# KiCad board panel.kicad_pcb (continued)
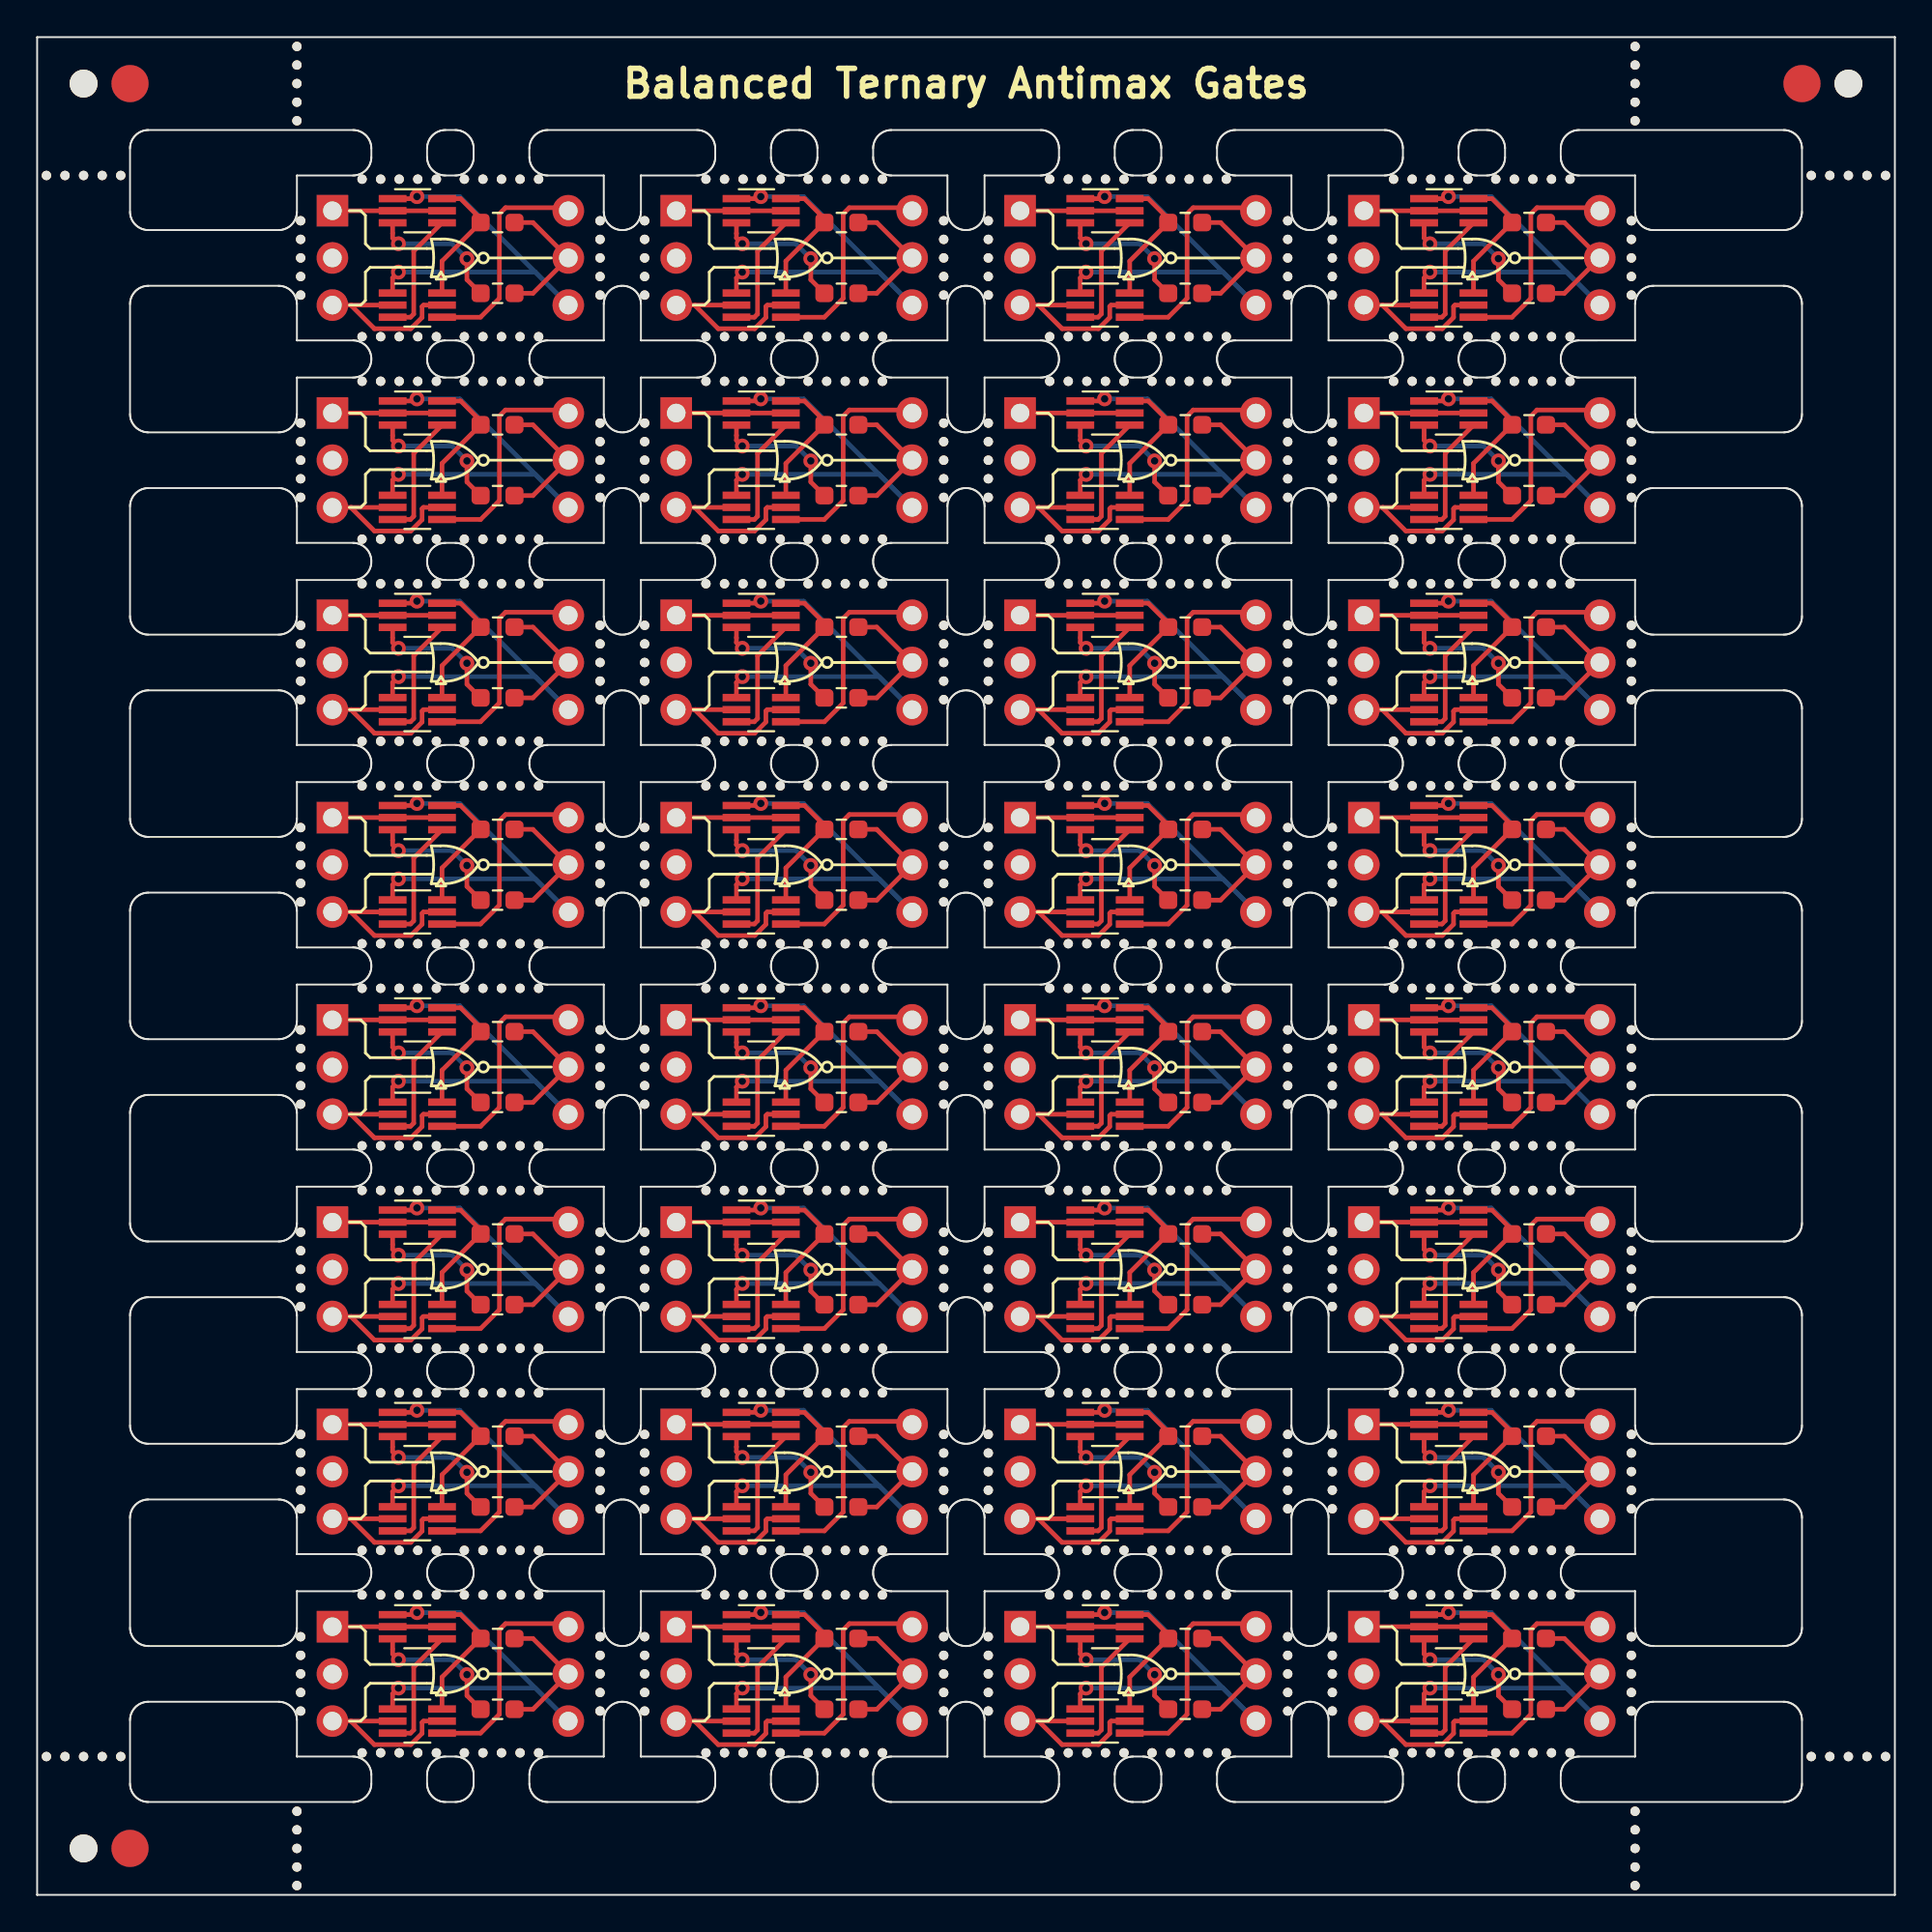
[diagram p0: board, top side]
## Placement (name value [footprint] x y rotation side) (continued)
REF**#885  -  [NPTH]  32.7 86.13 0 top
REF**#886  -  [NPTH]  48.8 57.46 0 top
REF**#887  -  [NPTH]  62.02 40.33 0 top
REF**#888  -  [NPTH]  17.49 7.65 0 top
REF**#889  -  [NPTH]  76.03 27.03 0 top
REF**#890  -  [NPTH]  37.01 83.89 0 top
REF**#891  -  [NPTH]  80.53 40.33 0 top
REF**#892  -  [NPTH]  27 27.03 0 top
REF**#893  -  [NPTH]  51.2 79.24 0 top
REF**#894  -  [NPTH]  69.72 86.13 0 top
REF**#895  -  [NPTH]  75.03 51.21 0 top
REF**#896  -  [NPTH]  57.51 92.37 0 top
REF**#897  -  [NPTH]  67.33 43.57 0 top
REF**#898  -  [NPTH]  69.72 10.9 0 top
REF**#899  -  [NPTH]  48.8 54.46 0 top
REF**#900  -  [NPTH]  14.18 68.35 0 top
REF**#901  -  [NPTH]  51.2 89.13 0 top
REF**#902  -  [NPTH]  61.02 59.71 0 top
REF**#903  -  [NPTH]  63.02 18.55 0 top
REF**#904  -  [NPTH]  57.51 70.59 0 top
REF**#905  -  [NPTH]  40.01 70.59 0 top
REF**#906  -  [NPTH]  51.2 20.79 0 top
REF**#907  -  [NPTH]  13.98 0.5 0 top
REF**#908  -  [NPTH]  23 16.15 0 top
REF**#909  -  [NPTH]  23 92.37 0 top
REF**#910  -  [NPTH]  86.03 98.51 0 top
REF**#911  -  [NPTH]  20.49 59.71 0 top
REF**#912  -  [NPTH]  14.18 54.46 0 top
REF**#913  -  [NPTH]  62.02 62.11 0 top
REF**#914  -  [NPTH]  77.03 70.59 0 top
REF**#915  -  [NPTH]  19.49 92.37 0 top
REF**#916  -  [NPTH]  85.83 42.57 0 top
REF**#917  -  [NPTH]  62.02 7.65 0 top
REF**#918  -  [NPTH]  69.72 22.79 0 top
REF**#919  -  [NPTH]  73.03 81.49 0 top
REF**#920  -  [NPTH]  24 62.11 0 top
REF**#921  -  [NPTH]  37.01 72.99 0 top
REF**#922  -  [NPTH]  57.51 48.81 0 top
REF**#923  -  [NPTH]  56.51 27.03 0 top
REF**#924  -  [NPTH]  32.7 87.13 0 top
REF**#925  -  [NPTH]  39.01 59.71 0 top
REF**#926  -  [NPTH]  67.33 66.35 0 top
REF**#927  -  [NPTH]  67.33 67.35 0 top
REF**#928  -  [NPTH]  75.03 81.49 0 top
REF**#929  -  [NPTH]  77.03 72.99 0 top
REF**#930  -  [NPTH]  13.98 99.51 0 top
REF**#931  -  [NPTH]  51.2 76.24 0 top
REF**#932  -  [NPTH]  69.72 42.57 0 top
REF**#933  -  [NPTH]  48.8 13.9 0 top
REF**#934  -  [NPTH]  32.7 9.9 0 top
REF**#935  -  [NPTH]  30.3 65.35 0 top
REF**#936  -  [NPTH]  86.03 3.5 0 top
REF**#937  -  [NPTH]  43.51 83.89 0 top
REF**#938  -  [NPTH]  48.8 78.24 0 top
REF**#939  -  [NPTH]  51.2 56.46 0 top
REF**#940  -  [NPTH]  27 62.11 0 top
REF**#941  -  [NPTH]  76.03 37.93 0 top
REF**#942  -  [NPTH]  41.51 48.81 0 top
REF**#943  -  [NPTH]  42.51 81.49 0 top
REF**#944  -  [NPTH]  41.51 62.11 0 top
REF**#945  -  [NPTH]  32.7 44.57 0 top
REF**#946  -  [NPTH]  69.72 44.57 0 top
REF**#947  -  [NPTH]  14.18 78.24 0 top
REF**#948  -  [NPTH]  82.53 51.21 0 top
REF**#949  -  [NPTH]  62.02 48.81 0 top
REF**#950  -  [NPTH]  4.5 92.57 0 top
REF**#951  -  [NPTH]  19.49 51.21 0 top
REF**#952  -  [NPTH]  67.33 55.46 0 top
REF**#953  -  [NPTH]  48.8 87.13 0 top
REF**#954  -  [NPTH]  67.33 86.13 0 top
REF**#955  -  [NPTH]  48.8 42.57 0 top
REF**#956  -  [NPTH]  48.8 64.35 0 top
REF**#957  -  [NPTH]  32.7 68.35 0 top
REF**#958  -  [NPTH]  30.3 76.24 0 top
REF**#959  -  [NPTH]  39.01 16.15 0 top
REF**#960  -  [NPTH]  17.49 18.55 0 top
REF**#961  -  [NPTH]  97.51 7.45 0 top
REF**#962  -  [NPTH]  75.03 72.99 0 top
REF**#963  -  [NPTH]  67.33 76.24 0 top
REF**#964  -  [NPTH]  62.02 81.49 0 top
REF**#965  -  [NPTH]  75.03 18.55 0 top
REF**#966  -  [NPTH]  85.83 57.46 0 top
REF**#967  -  [NPTH]  61.02 7.65 0 top
REF**#968  -  [NPTH]  63.02 70.59 0 top
REF**#969  -  [NPTH]  69.72 21.79 0 top
REF**#970  -  [NPTH]  30.3 12.9 0 top
REF**#971  -  [NPTH]  69.72 23.79 0 top
REF**#972  -  [NPTH]  19.49 18.55 0 top
REF**#973  -  [NPTH]  27 29.43 0 top
REF**#974  -  [NPTH]  63.02 83.89 0 top
REF**#975  -  [NPTH]  13.98 96.51 0 top
REF**#976  -  [NPTH]  76.03 70.59 0 top
REF**#977  -  [NPTH]  30.3 34.68 0 top
REF**#978  -  [NPTH]  45.51 83.89 0 top
REF**#979  -  [NPTH]  40.01 62.11 0 top
REF**#980  -  [NPTH]  19.49 16.15 0 top
REF**#981  -  [NPTH]  60.02 37.93 0 top
REF**#982  -  [NPTH]  43.51 59.71 0 top
REF**#983  -  [NPTH]  24 72.99 0 top
REF**#984  -  [NPTH]  75.03 83.89 0 top
REF**#985  -  [NPTH]  14.18 79.24 0 top
REF**#986  -  [NPTH]  48.8 11.9 0 top
REF**#987  -  [NPTH]  26 92.37 0 top
REF**#988  -  [NPTH]  55.51 18.55 0 top
REF**#989  -  [NPTH]  26 27.03 0 top
REF**#990  -  [NPTH]  54.51 72.99 0 top
REF**#991  -  [NPTH]  30.3 66.35 0 top
REF**#992  -  [NPTH]  38.01 16.15 0 top
REF**#993  -  [NPTH]  32.7 64.35 0 top
REF**#994  -  [NPTH]  30.3 78.24 0 top
REF**#995  -  [NPTH]  78.53 27.03 0 top
REF**#996  -  [NPTH]  57.51 29.43 0 top
REF**#997  -  [NPTH]  45.51 27.03 0 top
REF**#998  -  [NPTH]  14.18 65.35 0 top
REF**#999  -  [NPTH]  44.51 48.81 0 top
REF**#1000  -  [NPTH]  14.18 23.79 0 top
REF**#1001  -  [NPTH]  44.51 81.49 0 top
REF**#1002  -  [NPTH]  81.53 29.43 0 top
REF**#1003  -  [NPTH]  74.03 29.43 0 top
REF**#1004  -  [NPTH]  82.53 7.65 0 top
REF**#1005  -  [NPTH]  30.3 54.46 0 top
REF**#1006  -  [NPTH]  73.03 59.71 0 top
REF**#1007  -  [Fiducial]  95.01 97.51 0 bottom
REF**#1008  -  [Fiducial]  5 97.51 0 bottom
REF**#1009  -  [Fiducial]  5 2.5 0 bottom

## Library data of the parts
J1 J1#2-J1#32 J2 J2#2-J2#32 = -: Spice_Netlist_Enabled: N; Spice_Primitive: J
Q1 Q1#2-Q1#32 Q2 Q2#2-Q2#32 = -: Spice_Lib_File: /lab/dev/tritium/library/TritiumSpice.lib; Spice_Model: BSS8402DW; Spice_Netlist_Enabled: Y; Spice_Primitive: X

## Footprints (pads in the part's own frame, mm; a bottom-side part is the same pattern mirrored in y, then rotated)
Fiducial
  round 2 smd: (0,0)
NPTH
  round 0.5 hole 0.5 unplated: (0,0)
NPTH#2
  round 1.5 hole 1.5 unplated: (0,0)
PinHeader_1x03_P2.54mm_Vertical_NoSilkscreen
  round 1.7 hole 1: 1(0,0)
  oval 1.7x1.7 hole 1: 2(0,-2.54) 3(0,-5.08)
PinHeader_1x03_P2.54mm_Vertical_NoSilkscreen#2
  rect 1.7x1.7 hole 1: 1(0,0)
  oval 1.7x1.7 hole 1: 2(0,-2.54) 3(0,-5.08)
R_0603_1608Metric_Pad0.98x0.95mm_HandSolder
  rrect 0.975x0.95 smd: 1(-0.912,0) 2(0.912,0)
SOT-363_SC-70-6_Handsoldering
  rect 1.5x0.4 smd: 1(-1.33,0.65) 2(-1.33,0) 3(-1.33,-0.65) 4(1.33,-0.65) 5(1.33,0) 6(1.33,0.65)

## Nets
Board_0-A: J1#16.3 Q1#26.2 Q1#26.5
Board_0-B: J1#16.1 Q2#15.2 Q2#15.5
Board_0-Net-(Q1-Pad3): Q1#26.3 Q2#15.4
Board_0-Net-(Q1-Pad6): Q1#26.6 Q2#15.6 R2#16.2
Board_0-Net-(Q2-Pad3): Q2#15.3 R1#14.1
Board_0-Out: J2#25.2 R1#14.2 R2#16.1
Board_0-unconnected-(J1-Pad2): J1#16.2
Board_0-VDD: J2#25.1 Q1#26.4
Board_0-VSS: J2#25.3 Q1#26.1 Q2#15.1
Board_1-A: J1#7.3 Q1#3.2 Q1#3.5
Board_1-B: J1#7.1 Q2#12.2 Q2#12.5
Board_1-Net-(Q1-Pad3): Q1#3.3 Q2#12.4
Board_1-Net-(Q1-Pad6): Q1#3.6 Q2#12.6 R2#3.2
Board_1-Net-(Q2-Pad3): Q2#12.3 R1#23.1
Board_1-Out: J2#5.2 R1#23.2 R2#3.1
Board_1-unconnected-(J1-Pad2): J1#7.2
Board_1-VDD: J2#5.1 Q1#3.4
Board_1-VSS: J2#5.3 Q1#3.1 Q2#12.1
Board_2-A: J1#3.3 Q1#11.2 Q1#11.5
Board_2-B: J1#3.1 Q2#3.2 Q2#3.5
Board_2-Net-(Q1-Pad3): Q1#11.3 Q2#3.4
Board_2-Net-(Q1-Pad6): Q1#11.6 Q2#3.6 R2#22.2
Board_2-Net-(Q2-Pad3): Q2#3.3 R1#26.1
Board_2-Out: J2#31.2 R1#26.2 R2#22.1
Board_2-unconnected-(J1-Pad2): J1#3.2
Board_2-VDD: J2#31.1 Q1#11.4
Board_2-VSS: J2#31.3 Q1#11.1 Q2#3.1
Board_3-A: J1#28.3 Q1#25.2 Q1#25.5
Board_3-B: J1#28.1 Q2#16.2 Q2#16.5
Board_3-Net-(Q1-Pad3): Q1#25.3 Q2#16.4
Board_3-Net-(Q1-Pad6): Q1#25.6 Q2#16.6 R2#15.2
Board_3-Net-(Q2-Pad3): Q2#16.3 R1#13.1
Board_3-Out: J2#21.2 R1#13.2 R2#15.1
Board_3-unconnected-(J1-Pad2): J1#28.2
Board_3-VDD: J2#21.1 Q1#25.4
Board_3-VSS: J2#21.3 Q1#25.1 Q2#16.1
Board_4-A: J1#18.3 Q1#17.2 Q1#17.5
Board_4-B: J1#18.1 Q2#7.2 Q2#7.5
Board_4-Net-(Q1-Pad3): Q1#17.3 Q2#7.4
Board_4-Net-(Q1-Pad6): Q1#17.6 Q2#7.6 R2#24.2
Board_4-Net-(Q2-Pad3): Q2#7.3 R1#32.1
Board_4-Out: J2#4.2 R1#32.2 R2#24.1
Board_4-unconnected-(J1-Pad2): J1#18.2
Board_4-VDD: J2#4.1 Q1#17.4
Board_4-VSS: J2#4.3 Q1#17.1 Q2#7.1
Board_5-A: J1#25.3 Q1#6.2 Q1#6.5
Board_5-B: J1#25.1 Q2#10.2 Q2#10.5
Board_5-Net-(Q1-Pad3): Q1#6.3 Q2#10.4
Board_5-Net-(Q1-Pad6): Q1#6.6 Q2#10.6 R2#10.2
Board_5-Net-(Q2-Pad3): Q2#10.3 R1#12.1
Board_5-Out: J2#7.2 R1#12.2 R2#10.1
Board_5-unconnected-(J1-Pad2): J1#25.2
Board_5-VDD: J2#7.1 Q1#6.4
Board_5-VSS: J2#7.3 Q1#6.1 Q2#10.1
Board_6-A: J1#32.3 Q1#28.2 Q1#28.5
Board_6-B: J1#32.1 Q2#18.2 Q2#18.5
Board_6-Net-(Q1-Pad3): Q1#28.3 Q2#18.4
Board_6-Net-(Q1-Pad6): Q1#28.6 Q2#18.6 R2#25.2
Board_6-Net-(Q2-Pad3): Q2#18.3 R1#9.1
Board_6-Out: J2#30.2 R1#9.2 R2#25.1
Board_6-unconnected-(J1-Pad2): J1#32.2
Board_6-VDD: J2#30.1 Q1#28.4
Board_6-VSS: J2#30.3 Q1#28.1 Q2#18.1
Board_7-A: J1#30.3 Q1#29.2 Q1#29.5
Board_7-B: J1#30.1 Q2#13.2 Q2#13.5
Board_7-Net-(Q1-Pad3): Q1#29.3 Q2#13.4
Board_7-Net-(Q1-Pad6): Q1#29.6 Q2#13.6 R2#18.2
Board_7-Net-(Q2-Pad3): Q2#13.3 R1#20.1
Board_7-Out: J2#2.2 R1#20.2 R2#18.1
Board_7-unconnected-(J1-Pad2): J1#30.2
Board_7-VDD: J2#2.1 Q1#29.4
Board_7-VSS: J2#2.3 Q1#29.1 Q2#13.1
Board_8-A: J1#31.3 Q1#32.2 Q1#32.5
Board_8-B: J1#31.1 Q2#6.2 Q2#6.5
Board_8-Net-(Q1-Pad3): Q1#32.3 Q2#6.4
Board_8-Net-(Q1-Pad6): Q1#32.6 Q2#6.6 R2#19.2
Board_8-Net-(Q2-Pad3): Q2#6.3 R1#22.1
Board_8-Out: J2#12.2 R1#22.2 R2#19.1
Board_8-unconnected-(J1-Pad2): J1#31.2
Board_8-VDD: J2#12.1 Q1#32.4
Board_8-VSS: J2#12.3 Q1#32.1 Q2#6.1
Board_9-A: J1#19.3 Q1#23.2 Q1#23.5
Board_9-B: J1#19.1 Q2#25.2 Q2#25.5
Board_9-Net-(Q1-Pad3): Q1#23.3 Q2#25.4
Board_9-Net-(Q1-Pad6): Q1#23.6 Q2#25.6 R2#2.2
Board_9-Net-(Q2-Pad3): Q2#25.3 R1#24.1
Board_9-Out: J2#9.2 R1#24.2 R2#2.1
Board_9-unconnected-(J1-Pad2): J1#19.2
Board_9-VDD: J2#9.1 Q1#23.4
Board_9-VSS: J2#9.3 Q1#23.1 Q2#25.1
Board_10-A: J1#26.3 Q1#2.2 Q1#2.5
Board_10-B: J1#26.1 Q2#4.2 Q2#4.5
Board_10-Net-(Q1-Pad3): Q1#2.3 Q2#4.4
Board_10-Net-(Q1-Pad6): Q1#2.6 Q2#4.6 R2#32.2
Board_10-Net-(Q2-Pad3): Q2#4.3 R1#11.1
Board_10-Out: J2#24.2 R1#11.2 R2#32.1
Board_10-unconnected-(J1-Pad2): J1#26.2
Board_10-VDD: J2#24.1 Q1#2.4
Board_10-VSS: J2#24.3 Q1#2.1 Q2#4.1
Board_11-A: J1.3 Q1#31.2 Q1#31.5
Board_11-B: J1.1 Q2#17.2 Q2#17.5
Board_11-Net-(Q1-Pad3): Q1#31.3 Q2#17.4
Board_11-Net-(Q1-Pad6): Q1#31.6 Q2#17.6 R2#21.2
Board_11-Net-(Q2-Pad3): Q2#17.3 R1#29.1
Board_11-Out: J2#28.2 R1#29.2 R2#21.1
Board_11-unconnected-(J1-Pad2): J1.2
Board_11-VDD: J2#28.1 Q1#31.4
Board_11-VSS: J2#28.3 Q1#31.1 Q2#17.1
Board_12-A: J1#27.3 Q1#8.2 Q1#8.5
Board_12-B: J1#27.1 Q2#21.2 Q2#21.5
Board_12-Net-(Q1-Pad3): Q1#8.3 Q2#21.4
Board_12-Net-(Q1-Pad6): Q1#8.6 Q2#21.6 R2#11.2
Board_12-Net-(Q2-Pad3): Q2#21.3 R1#16.1
Board_12-Out: J2#13.2 R1#16.2 R2#11.1
Board_12-unconnected-(J1-Pad2): J1#27.2
Board_12-VDD: J2#13.1 Q1#8.4
Board_12-VSS: J2#13.3 Q1#8.1 Q2#21.1
Board_13-A: J1#20.3 Q1#7.2 Q1#7.5
Board_13-B: J1#20.1 Q2#28.2 Q2#28.5
Board_13-Net-(Q1-Pad3): Q1#7.3 Q2#28.4
Board_13-Net-(Q1-Pad6): Q1#7.6 Q2#28.6 R2#5.2
Board_13-Net-(Q2-Pad3): Q2#28.3 R1#27.1
Board_13-Out: J2#11.2 R1#27.2 R2#5.1
Board_13-unconnected-(J1-Pad2): J1#20.2
Board_13-VDD: J2#11.1 Q1#7.4
Board_13-VSS: J2#11.3 Q1#7.1 Q2#28.1
Board_14-A: J1#11.3 Q1#12.2 Q1#12.5
Board_14-B: J1#11.1 Q2#8.2 Q2#8.5
Board_14-Net-(Q1-Pad3): Q1#12.3 Q2#8.4
Board_14-Net-(Q1-Pad6): Q1#12.6 Q2#8.6 R2#28.2
Board_14-Net-(Q2-Pad3): Q2#8.3 R1#17.1
Board_14-Out: J2#32.2 R1#17.2 R2#28.1
Board_14-unconnected-(J1-Pad2): J1#11.2
Board_14-VDD: J2#32.1 Q1#12.4
Board_14-VSS: J2#32.3 Q1#12.1 Q2#8.1
Board_15-A: J1#10.3 Q1#21.2 Q1#21.5
Board_15-B: J1#10.1 Q2#22.2 Q2#22.5
Board_15-Net-(Q1-Pad3): Q1#21.3 Q2#22.4
Board_15-Net-(Q1-Pad6): Q1#21.6 Q2#22.6 R2#30.2
Board_15-Net-(Q2-Pad3): Q2#22.3 R1#30.1
Board_15-Out: J2#29.2 R1#30.2 R2#30.1
Board_15-unconnected-(J1-Pad2): J1#10.2
Board_15-VDD: J2#29.1 Q1#21.4
Board_15-VSS: J2#29.3 Q1#21.1 Q2#22.1
Board_16-A: J1#15.3 Q1.2 Q1.5
Board_16-B: J1#15.1 Q2#27.2 Q2#27.5
Board_16-Net-(Q1-Pad3): Q1.3 Q2#27.4
Board_16-Net-(Q1-Pad6): Q1.6 Q2#27.6 R2#13.2
Board_16-Net-(Q2-Pad3): Q2#27.3 R1#10.1
Board_16-Out: J2#17.2 R1#10.2 R2#13.1
Board_16-unconnected-(J1-Pad2): J1#15.2
Board_16-VDD: J2#17.1 Q1.4
Board_16-VSS: J2#17.3 Q1.1 Q2#27.1
Board_17-A: J1#14.3 Q1#10.2 Q1#10.5
Board_17-B: J1#14.1 Q2#5.2 Q2#5.5
Board_17-Net-(Q1-Pad3): Q1#10.3 Q2#5.4
Board_17-Net-(Q1-Pad6): Q1#10.6 Q2#5.6 R2#31.2
Board_17-Net-(Q2-Pad3): Q2#5.3 R1#15.1
Board_17-Out: J2#10.2 R1#15.2 R2#31.1
Board_17-unconnected-(J1-Pad2): J1#14.2
Board_17-VDD: J2#10.1 Q1#10.4
Board_17-VSS: J2#10.3 Q1#10.1 Q2#5.1
Board_18-A: J1#23.3 Q1#13.2 Q1#13.5
Board_18-B: J1#23.1 Q2#20.2 Q2#20.5
Board_18-Net-(Q1-Pad3): Q1#13.3 Q2#20.4
Board_18-Net-(Q1-Pad6): Q1#13.6 Q2#20.6 R2#27.2
Board_18-Net-(Q2-Pad3): Q2#20.3 R1.1
Board_18-Out: J2#3.2 R1.2 R2#27.1
Board_18-unconnected-(J1-Pad2): J1#23.2
Board_18-VDD: J2#3.1 Q1#13.4
Board_18-VSS: J2#3.3 Q1#13.1 Q2#20.1
Board_19-A: J1#6.3 Q1#27.2 Q1#27.5
Board_19-B: J1#6.1 Q2#19.2 Q2#19.5
Board_19-Net-(Q1-Pad3): Q1#27.3 Q2#19.4
Board_19-Net-(Q1-Pad6): Q1#27.6 Q2#19.6 R2#23.2
Board_19-Net-(Q2-Pad3): Q2#19.3 R1#2.1
Board_19-Out: J2#20.2 R1#2.2 R2#23.1
Board_19-unconnected-(J1-Pad2): J1#6.2
Board_19-VDD: J2#20.1 Q1#27.4
Board_19-VSS: J2#20.3 Q1#27.1 Q2#19.1
Board_20-A: J1#21.3 Q1#5.2 Q1#5.5
Board_20-B: J1#21.1 Q2#23.2 Q2#23.5
Board_20-Net-(Q1-Pad3): Q1#5.3 Q2#23.4
Board_20-Net-(Q1-Pad6): Q1#5.6 Q2#23.6 R2.2
Board_20-Net-(Q2-Pad3): Q2#23.3 R1#28.1
Board_20-Out: J2#18.2 R1#28.2 R2.1
Board_20-unconnected-(J1-Pad2): J1#21.2
Board_20-VDD: J2#18.1 Q1#5.4
Board_20-VSS: J2#18.3 Q1#5.1 Q2#23.1
Board_21-A: J1#22.3 Q1#24.2 Q1#24.5
Board_21-B: J1#22.1 Q2#29.2 Q2#29.5
Board_21-Net-(Q1-Pad3): Q1#24.3 Q2#29.4
Board_21-Net-(Q1-Pad6): Q1#24.6 Q2#29.6 R2#12.2
Board_21-Net-(Q2-Pad3): Q2#29.3 R1#21.1
Board_21-Out: J2#22.2 R1#21.2 R2#12.1
Board_21-unconnected-(J1-Pad2): J1#22.2
Board_21-VDD: J2#22.1 Q1#24.4
Board_21-VSS: J2#22.3 Q1#24.1 Q2#29.1
Board_22-A: J1#24.3 Q1#20.2 Q1#20.5
Board_22-B: J1#24.1 Q2#31.2 Q2#31.5
Board_22-Net-(Q1-Pad3): Q1#20.3 Q2#31.4
Board_22-Net-(Q1-Pad6): Q1#20.6 Q2#31.6 R2#8.2
Board_22-Net-(Q2-Pad3): Q2#31.3 R1#18.1
Board_22-Out: J2#16.2 R1#18.2 R2#8.1
Board_22-unconnected-(J1-Pad2): J1#24.2
Board_22-VDD: J2#16.1 Q1#20.4
Board_22-VSS: J2#16.3 Q1#20.1 Q2#31.1
Board_23-A: J1#17.3 Q1#15.2 Q1#15.5
Board_23-B: J1#17.1 Q2#24.2 Q2#24.5
Board_23-Net-(Q1-Pad3): Q1#15.3 Q2#24.4
Board_23-Net-(Q1-Pad6): Q1#15.6 Q2#24.6 R2#17.2
Board_23-Net-(Q2-Pad3): Q2#24.3 R1#25.1
Board_23-Out: J2#14.2 R1#25.2 R2#17.1
Board_23-unconnected-(J1-Pad2): J1#17.2
Board_23-VDD: J2#14.1 Q1#15.4
Board_23-VSS: J2#14.3 Q1#15.1 Q2#24.1
Board_24-A: J1#2.3 Q1#14.2 Q1#14.5
Board_24-B: J1#2.1 Q2#9.2 Q2#9.5
Board_24-Net-(Q1-Pad3): Q1#14.3 Q2#9.4
Board_24-Net-(Q1-Pad6): Q1#14.6 Q2#9.6 R2#7.2
Board_24-Net-(Q2-Pad3): Q2#9.3 R1#3.1
Board_24-Out: J2#26.2 R1#3.2 R2#7.1
Board_24-unconnected-(J1-Pad2): J1#2.2
Board_24-VDD: J2#26.1 Q1#14.4
Board_24-VSS: J2#26.3 Q1#14.1 Q2#9.1
Board_25-A: J1#12.3 Q1#16.2 Q1#16.5
Board_25-B: J1#12.1 Q2#30.2 Q2#30.5
Board_25-Net-(Q1-Pad3): Q1#16.3 Q2#30.4
Board_25-Net-(Q1-Pad6): Q1#16.6 Q2#30.6 R2#4.2
Board_25-Net-(Q2-Pad3): Q2#30.3 R1#6.1
Board_25-Out: J2#6.2 R1#6.2 R2#4.1
Board_25-unconnected-(J1-Pad2): J1#12.2
Board_25-VDD: J2#6.1 Q1#16.4
Board_25-VSS: J2#6.3 Q1#16.1 Q2#30.1
Board_26-A: J1#4.3 Q1#4.2 Q1#4.5
Board_26-B: J1#4.1 Q2#32.2 Q2#32.5
Board_26-Net-(Q1-Pad3): Q1#4.3 Q2#32.4
Board_26-Net-(Q1-Pad6): Q1#4.6 Q2#32.6 R2#26.2
Board_26-Net-(Q2-Pad3): Q2#32.3 R1#7.1
Board_26-Out: J2#15.2 R1#7.2 R2#26.1
Board_26-unconnected-(J1-Pad2): J1#4.2
Board_26-VDD: J2#15.1 Q1#4.4
Board_26-VSS: J2#15.3 Q1#4.1 Q2#32.1
Board_27-A: J1#5.3 Q1#30.2 Q1#30.5
Board_27-B: J1#5.1 Q2#26.2 Q2#26.5
Board_27-Net-(Q1-Pad3): Q1#30.3 Q2#26.4
Board_27-Net-(Q1-Pad6): Q1#30.6 Q2#26.6 R2#6.2
Board_27-Net-(Q2-Pad3): Q2#26.3 R1#4.1
Board_27-Out: J2#27.2 R1#4.2 R2#6.1
Board_27-unconnected-(J1-Pad2): J1#5.2
Board_27-VDD: J2#27.1 Q1#30.4
Board_27-VSS: J2#27.3 Q1#30.1 Q2#26.1
Board_28-A: J1#13.3 Q1#19.2 Q1#19.5
Board_28-B: J1#13.1 Q2#2.2 Q2#2.5
Board_28-Net-(Q1-Pad3): Q1#19.3 Q2#2.4
Board_28-Net-(Q1-Pad6): Q1#19.6 Q2#2.6 R2#9.2
Board_28-Net-(Q2-Pad3): Q2#2.3 R1#19.1
Board_28-Out: J2.2 R1#19.2 R2#9.1
Board_28-unconnected-(J1-Pad2): J1#13.2
Board_28-VDD: J2.1 Q1#19.4
Board_28-VSS: J2.3 Q1#19.1 Q2#2.1
Board_29-A: J1#29.3 Q1#18.2 Q1#18.5
Board_29-B: J1#29.1 Q2.2 Q2.5
Board_29-Net-(Q1-Pad3): Q1#18.3 Q2.4
Board_29-Net-(Q1-Pad6): Q1#18.6 Q2.6 R2#14.2
Board_29-Net-(Q2-Pad3): Q2.3 R1#8.1
Board_29-Out: J2#23.2 R1#8.2 R2#14.1
Board_29-unconnected-(J1-Pad2): J1#29.2
Board_29-VDD: J2#23.1 Q1#18.4
Board_29-VSS: J2#23.3 Q1#18.1 Q2.1
Board_30-A: J1#9.3 Q1#9.2 Q1#9.5
Board_30-B: J1#9.1 Q2#14.2 Q2#14.5
Board_30-Net-(Q1-Pad3): Q1#9.3 Q2#14.4
Board_30-Net-(Q1-Pad6): Q1#9.6 Q2#14.6 R2#29.2
Board_30-Net-(Q2-Pad3): Q2#14.3 R1#5.1
Board_30-Out: J2#8.2 R1#5.2 R2#29.1
Board_30-unconnected-(J1-Pad2): J1#9.2
Board_30-VDD: J2#8.1 Q1#9.4
Board_30-VSS: J2#8.3 Q1#9.1 Q2#14.1
Board_31-A: J1#8.3 Q1#22.2 Q1#22.5
Board_31-B: J1#8.1 Q2#11.2 Q2#11.5
Board_31-Net-(Q1-Pad3): Q1#22.3 Q2#11.4
Board_31-Net-(Q1-Pad6): Q1#22.6 Q2#11.6 R2#20.2
Board_31-Net-(Q2-Pad3): Q2#11.3 R1#31.1
Board_31-Out: J2#19.2 R1#31.2 R2#20.1
Board_31-unconnected-(J1-Pad2): J1#8.2
Board_31-VDD: J2#19.1 Q1#22.4
Board_31-VSS: J2#19.3 Q1#22.1 Q2#11.1

## Via types
v1: diameter 0.8, hole 0.4, Top to Bottom, 128 vias

## Routing (per net, layer and track width the routed paths; a pad name or vN(x,y) marks a point on that pad's centre or on a via; arc(x,y) is an arc through that point)
Board_0-A: length 9.5
  Top w0.25: Q1#26.2 16.91,85.59 ; 16.91,85.59 16.91,85.56 18.16,84.32 20.12,84.32 20.72,84.92 20.72,85.51 20.8,85.59 Q1#26.5 ; 16.91,85.59 J1#16.3
Board_0-B: length 5.9
  Top w0.25: J1#16.1 Q2#15.2 Q2#15.5
Board_0-Net-(Q1-Pad3): length 6.7
  Top w0.25: Q1#26.3 20.1,84.94 20.27,85.11 20.27,88.49 Q2#15.4
Board_0-Net-(Q1-Pad6): length 7.4
  Top w0.25: Q1#26.6 21.8,87.96 R2#16.2 23.87,90.24 22.8,91.32 Q2#15.6
Board_0-Net-(Q2-Pad3): length 7.4
  Top w0.25: R1#14.1 23.14,86.96 v1(23.14,88.09) ; Q2#15.3 19.14,89.2 v1(19.45,88.89)
  Bottom w0.25: v1(19.45,88.89) 22.34,88.89 v1(23.14,88.09)
Board_0-Out: length 7.4
  Top w0.25: R2#16.1 26.69,90.03 J2#25.2 26.69,86.22 R1#14.2
Board_0-VDD: length 12
  Top w0.25: J2#25.1 28.43,90.83 25.21,90.83 24.88,90.5 24.88,85.95 23.87,84.94 Q1#26.4
Board_0-VSS: length 23.1
  Top w0.25: Q1#26.1 19.14,87.05 v1(19.45,87.36) ; Q2#15.1 20.34,91.32 v1(20.45,91.43)
  Bottom w0.25: v1(20.45,91.43) 22.75,91.43 J2#25.3 26.82,87.36 v1(19.45,87.36)
Board_1-A: length 9.5
  Top w0.25: 35.42,85.59 J1#7.3 ; 35.42,85.59 Q1#3.2 ; 35.42,85.59 35.42,85.56 36.67,84.32 38.63,84.32 39.23,84.92 39.23,85.51 39.31,85.59 40.31,85.59
Board_1-B: length 5.9
  Top w0.25: 40.31,90.67 Q2#12.2 J1#7.1
Board_1-Net-(Q1-Pad3): length 6.7
  Top w0.25: Q1#3.3 38.61,84.94 38.78,85.11 38.78,88.49 40.31,90.02
Board_1-Net-(Q1-Pad6): length 7.4
  Top w0.25: 40.31,86.24 40.31,87.96 R2#3.2 42.38,90.24 41.31,91.32 40.31,91.32
Board_1-Net-(Q2-Pad3): length 7.4
  Top w0.25: R1#23.1 41.65,86.96 v1(41.65,88.09) ; Q2#12.3 37.65,89.2 v1(37.96,88.89)
  Bottom w0.25: v1(41.65,88.09) 40.85,88.89 v1(37.96,88.89)
Board_1-Out: length 7.4
  Top w0.25: R2#3.1 45.2,90.03 J2#5.2 45.2,86.22 R1#23.2
Board_1-VDD: length 12
  Top w0.25: 40.31,84.94 42.38,84.94 43.4,85.95 43.4,90.5 43.72,90.83 46.94,90.83 J2#5.1
Board_1-VSS: length 23.1
  Top w0.25: v1(37.96,87.36) 37.65,87.05 Q1#3.1 ; v1(38.96,91.43) 38.85,91.32 Q2#12.1
  Bottom w0.25: v1(38.96,91.43) 41.26,91.43 J2#5.3 45.33,87.36 v1(37.96,87.36)
Board_2-A: length 9.5
  Top w0.25: 53.93,85.59 53.93,85.56 55.18,84.32 57.14,84.32 57.74,84.92 57.74,85.51 57.82,85.59 Q1#11.5 ; 53.93,85.59 J1#3.3 ; 53.93,85.59 Q1#11.2
Board_2-B: length 5.9
  Top w0.25: Q2#3.5 Q2#3.2 J1#3.1
Board_2-Net-(Q1-Pad3): length 6.7
  Top w0.25: Q1#11.3 57.12,84.94 57.29,85.11 57.29,88.49 Q2#3.4
Board_2-Net-(Q1-Pad6): length 7.4
  Top w0.25: Q2#3.6 59.82,91.32 60.89,90.24 R2#22.2 58.82,87.96 Q1#11.6
Board_2-Net-(Q2-Pad3): length 7.4
  Top w0.25: R1#26.1 60.16,86.96 v1(60.16,88.09) ; v1(56.47,88.89) 56.16,89.2 Q2#3.3
  Bottom w0.25: v1(56.47,88.89) 59.36,88.89 v1(60.16,88.09)
Board_2-Out: length 7.4
  Top w0.25: R1#26.2 63.71,86.22 J2#31.2 63.71,90.03 R2#22.1
Board_2-VDD: length 12
  Top w0.25: J2#31.1 65.45,90.83 62.23,90.83 61.91,90.5 61.91,85.95 60.89,84.94 Q1#11.4
Board_2-VSS: length 23.1
  Top w0.25: Q2#3.1 57.36,91.32 v1(57.47,91.43) ; v1(56.47,87.36) 56.16,87.05 Q1#11.1
  Bottom w0.25: v1(57.47,91.43) 59.77,91.43 J2#31.3 63.84,87.36 v1(56.47,87.36)
Board_3-A: length 9.5
  Top w0.25: 72.44,85.59 J1#28.3 ; 72.44,85.59 Q1#25.2 ; 72.44,85.59 72.44,85.56 73.69,84.32 75.65,84.32 76.25,84.92 76.25,85.51 76.33,85.59 Q1#25.5
Board_3-B: length 5.9
  Top w0.25: Q2#16.5 Q2#16.2 J1#28.1
Board_3-Net-(Q1-Pad3): length 6.7
  Top w0.25: Q1#25.3 75.63,84.94 75.8,85.11 75.8,88.49 Q2#16.4
Board_3-Net-(Q1-Pad6): length 7.4
  Top w0.25: Q2#16.6 78.33,91.32 79.4,90.24 R2#15.2 77.33,87.96 Q1#25.6
Board_3-Net-(Q2-Pad3): length 7.4
  Top w0.25: R1#13.1 78.67,86.96 v1(78.67,88.09) ; Q2#16.3 74.67,89.2 v1(74.98,88.89)
  Bottom w0.25: v1(78.67,88.09) 77.87,88.89 v1(74.98,88.89)
Board_3-Out: length 7.4
  Top w0.25: R1#13.2 82.22,86.22 J2#21.2 82.22,90.03 R2#15.1
Board_3-VDD: length 12
  Top w0.25: J2#21.1 83.96,90.83 80.74,90.83 80.42,90.5 80.42,85.95 79.4,84.94 Q1#25.4
Board_3-VSS: length 23.1
  Top w0.25: v1(74.98,87.36) 74.67,87.05 Q1#25.1 ; Q2#16.1 75.87,91.32 v1(75.98,91.43)
  Bottom w0.25: v1(75.98,91.43) 78.28,91.43 J2#21.3 82.35,87.36 v1(74.98,87.36)
Board_4-A: length 9.5
  Top w0.25: Q1#17.2 16.91,74.7 ; 16.91,74.7 16.91,74.67 18.16,73.43 20.12,73.43 20.72,74.03 20.72,74.62 20.8,74.7 Q1#17.5 ; 16.91,74.7 J1#18.3
Board_4-B: length 5.9
  Top w0.25: Q2#7.5 Q2#7.2 J1#18.1
Board_4-Net-(Q1-Pad3): length 6.7
  Top w0.25: Q1#17.3 20.1,74.05 20.27,74.22 20.27,77.6 Q2#7.4
Board_4-Net-(Q1-Pad6): length 7.4
  Top w0.25: Q2#7.6 22.8,80.43 23.87,79.35 R2#24.2 21.8,77.07 Q1#17.6
Board_4-Net-(Q2-Pad3): length 7.4
  Top w0.25: v1(23.14,77.2) 23.14,76.07 R1#32.1 ; Q2#7.3 19.14,78.31 v1(19.45,78)
  Bottom w0.25: v1(23.14,77.2) 22.34,78 v1(19.45,78)
Board_4-Out: length 7.4
  Top w0.25: R2#24.1 26.69,79.14 J2#4.2 26.69,75.33 R1#32.2
Board_4-VDD: length 12
  Top w0.25: J2#4.1 28.43,79.94 25.21,79.94 24.88,79.61 24.88,75.06 23.87,74.05 Q1#17.4
Board_4-VSS: length 23.1
  Top w0.25: v1(19.45,76.47) 19.14,76.16 Q1#17.1 ; v1(20.45,80.54) 20.34,80.43 Q2#7.1
  Bottom w0.25: v1(20.45,80.54) 22.75,80.54 J2#4.3 26.82,76.47 v1(19.45,76.47)
Board_5-A: length 9.5
  Top w0.25: 35.42,74.7 J1#25.3 ; 35.42,74.7 Q1#6.2 ; 35.42,74.7 35.42,74.67 36.67,73.43 38.63,73.43 39.23,74.03 39.23,74.62 39.31,74.7 40.31,74.7
Board_5-B: length 5.9
  Top w0.25: J1#25.1 Q2#10.2 40.31,79.78
Board_5-Net-(Q1-Pad3): length 6.7
  Top w0.25: Q1#6.3 38.61,74.05 38.78,74.22 38.78,77.6 40.31,79.13
Board_5-Net-(Q1-Pad6): length 7.4
  Top w0.25: 40.31,75.35 40.31,77.07 R2#10.2 42.38,79.35 41.31,80.43 40.31,80.43
Board_5-Net-(Q2-Pad3): length 7.4
  Top w0.25: Q2#10.3 37.65,78.31 v1(37.96,78) ; R1#12.1 41.65,76.07 v1(41.65,77.2)
  Bottom w0.25: v1(37.96,78) 40.85,78 v1(41.65,77.2)
Board_5-Out: length 7.4
  Top w0.25: R1#12.2 45.2,75.33 J2#7.2 45.2,79.14 R2#10.1
Board_5-VDD: length 12
  Top w0.25: 40.31,74.05 42.38,74.05 43.4,75.06 43.4,79.61 43.72,79.94 46.94,79.94 J2#7.1
Board_5-VSS: length 23.1
  Top w0.25: v1(37.96,76.47) 37.65,76.16 Q1#6.1 ; v1(38.96,80.54) 38.85,80.43 Q2#10.1
  Bottom w0.25: v1(37.96,76.47) 45.33,76.47 J2#7.3 41.26,80.54 v1(38.96,80.54)
Board_6-A: length 9.5
  Top w0.25: Q1#28.5 57.82,74.7 57.74,74.62 57.74,74.03 57.14,73.43 55.18,73.43 53.93,74.67 53.93,74.7 ; 53.93,74.7 J1#32.3 ; 53.93,74.7 Q1#28.2
Board_6-B: length 5.9
  Top w0.25: Q2#18.5 Q2#18.2 J1#32.1
Board_6-Net-(Q1-Pad3): length 6.7
  Top w0.25: Q2#18.4 57.29,77.6 57.29,74.22 57.12,74.05 Q1#28.3
Board_6-Net-(Q1-Pad6): length 7.4
  Top w0.25: Q2#18.6 59.82,80.43 60.89,79.35 R2#25.2 58.82,77.07 Q1#28.6
Board_6-Net-(Q2-Pad3): length 7.4
  Top w0.25: R1#9.1 60.16,76.07 v1(60.16,77.2) ; Q2#18.3 56.16,78.31 v1(56.47,78)
  Bottom w0.25: v1(56.47,78) 59.36,78 v1(60.16,77.2)
Board_6-Out: length 7.4
  Top w0.25: R1#9.2 63.71,75.33 J2#30.2 63.71,79.14 R2#25.1
Board_6-VDD: length 12
  Top w0.25: Q1#28.4 60.89,74.05 61.91,75.06 61.91,79.61 62.23,79.94 65.45,79.94 J2#30.1
Board_6-VSS: length 23.1
  Top w0.25: v1(57.47,80.54) 57.36,80.43 Q2#18.1 ; Q1#28.1 56.16,76.16 v1(56.47,76.47)
  Bottom w0.25: v1(56.47,76.47) 63.84,76.47 J2#30.3 59.77,80.54 v1(57.47,80.54)
Board_7-A: length 9.5
  Top w0.25: Q1#29.5 76.33,74.7 76.25,74.62 76.25,74.03 75.65,73.43 73.69,73.43 72.44,74.67 72.44,74.7 ; 72.44,74.7 J1#30.3 ; 72.44,74.7 Q1#29.2
Board_7-B: length 5.9
  Top w0.25: Q2#13.5 Q2#13.2 J1#30.1
Board_7-Net-(Q1-Pad3): length 6.7
  Top w0.25: Q1#29.3 75.63,74.05 75.8,74.22 75.8,77.6 Q2#13.4
Board_7-Net-(Q1-Pad6): length 7.4
  Top w0.25: Q1#29.6 77.33,77.07 R2#18.2 79.4,79.35 78.33,80.43 Q2#13.6
Board_7-Net-(Q2-Pad3): length 7.4
  Top w0.25: v1(78.67,77.2) 78.67,76.07 R1#20.1 ; v1(74.98,78) 74.67,78.31 Q2#13.3
  Bottom w0.25: v1(74.98,78) 77.87,78 v1(78.67,77.2)
Board_7-Out: length 7.4
  Top w0.25: R2#18.1 82.22,79.14 J2#2.2 82.22,75.33 R1#20.2